# Altium PCB vestibular_vampire.PcbDoc (part 1 of 2)
Units mm, origin at the board's own origin, x right, y up, seen from the top; angles counter-clockwise.
Board outline 54.8 x 58.9 mm, 2 copper layers (Top Layer, Bottom Layer), stack 1.335 mm thick; 92 components, 56 nets, 333 pads, 112 vias.
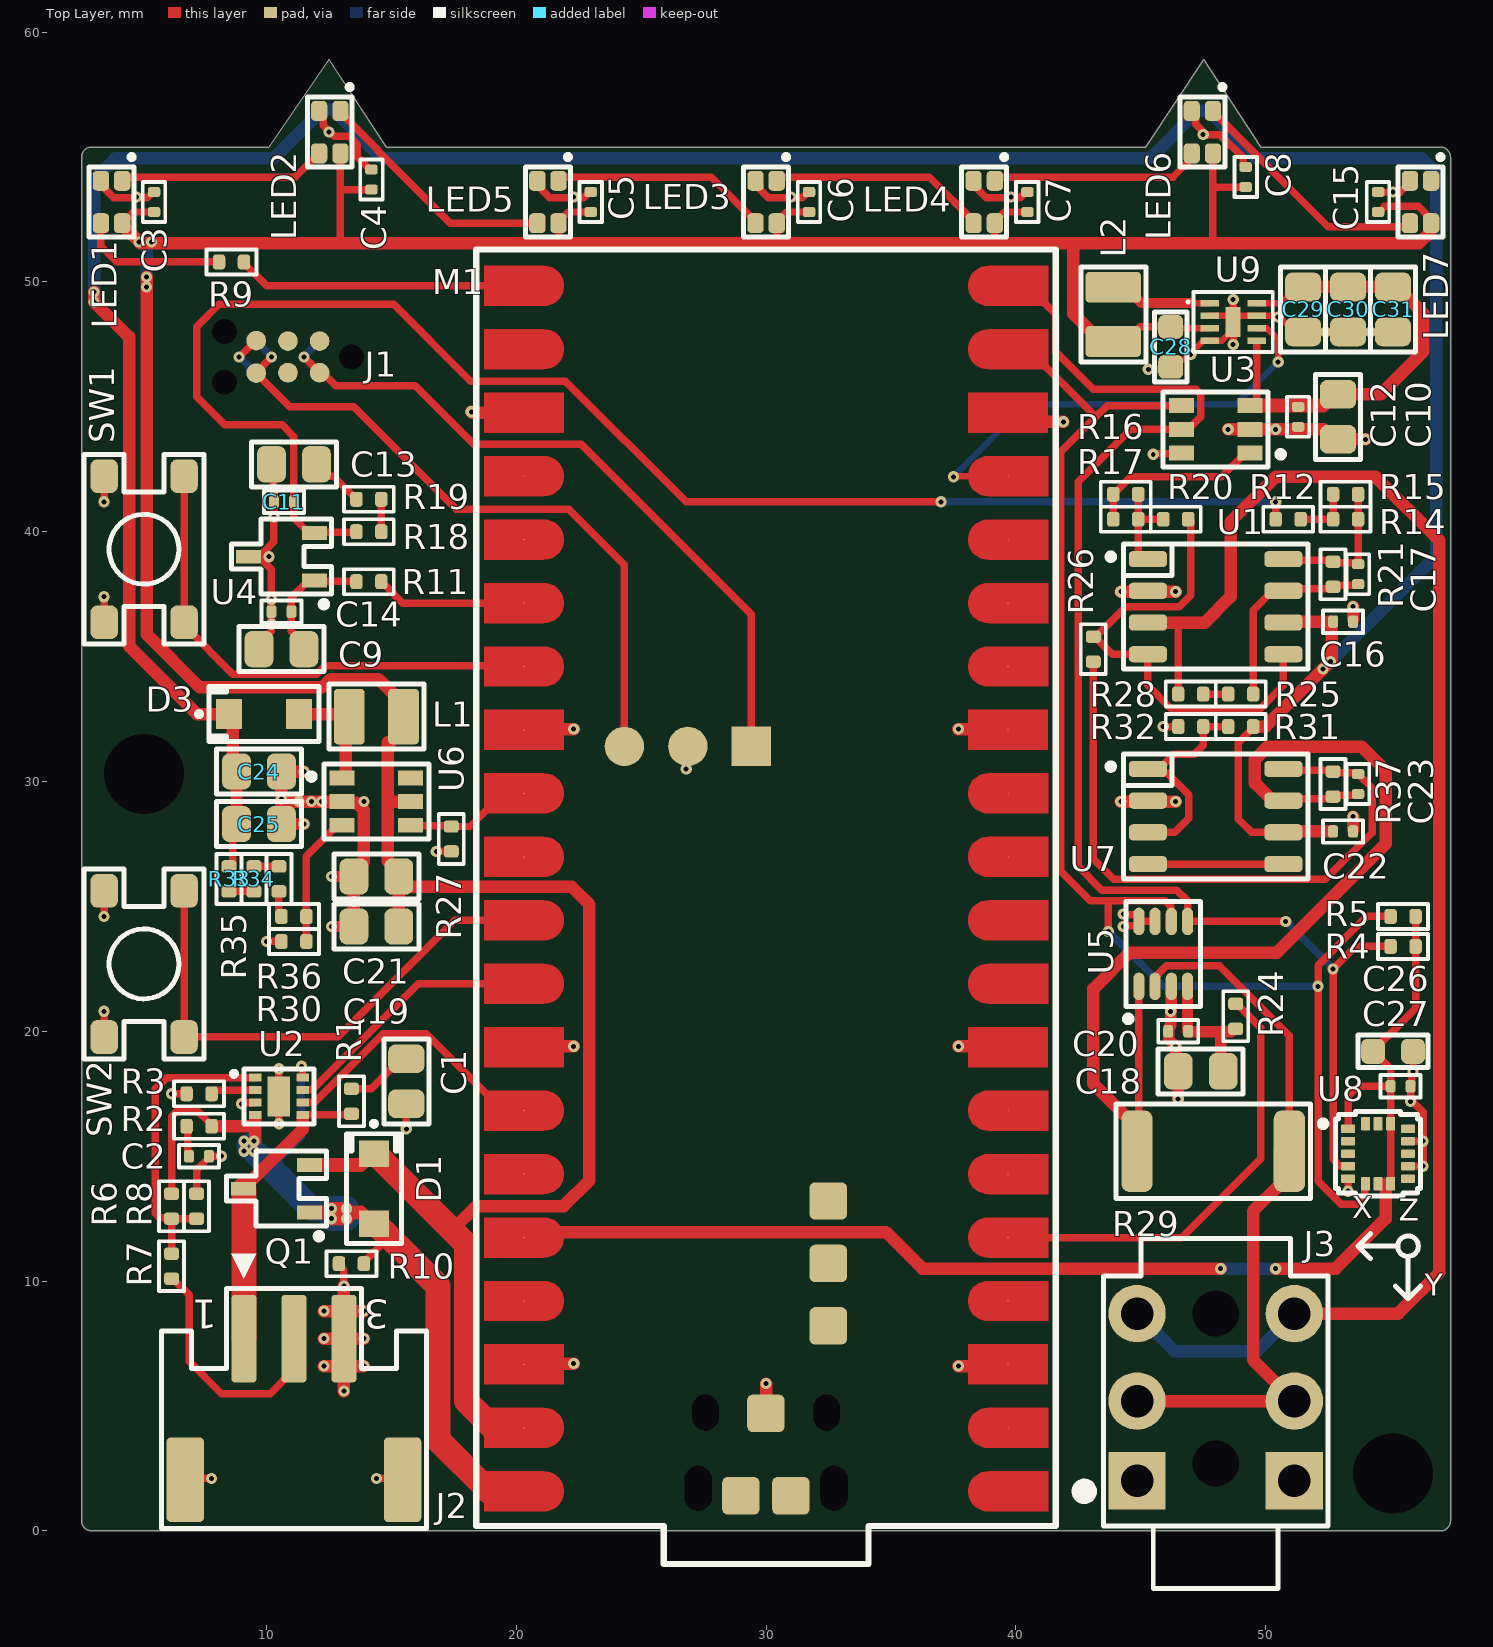
[diagram p0: Top Layer view]
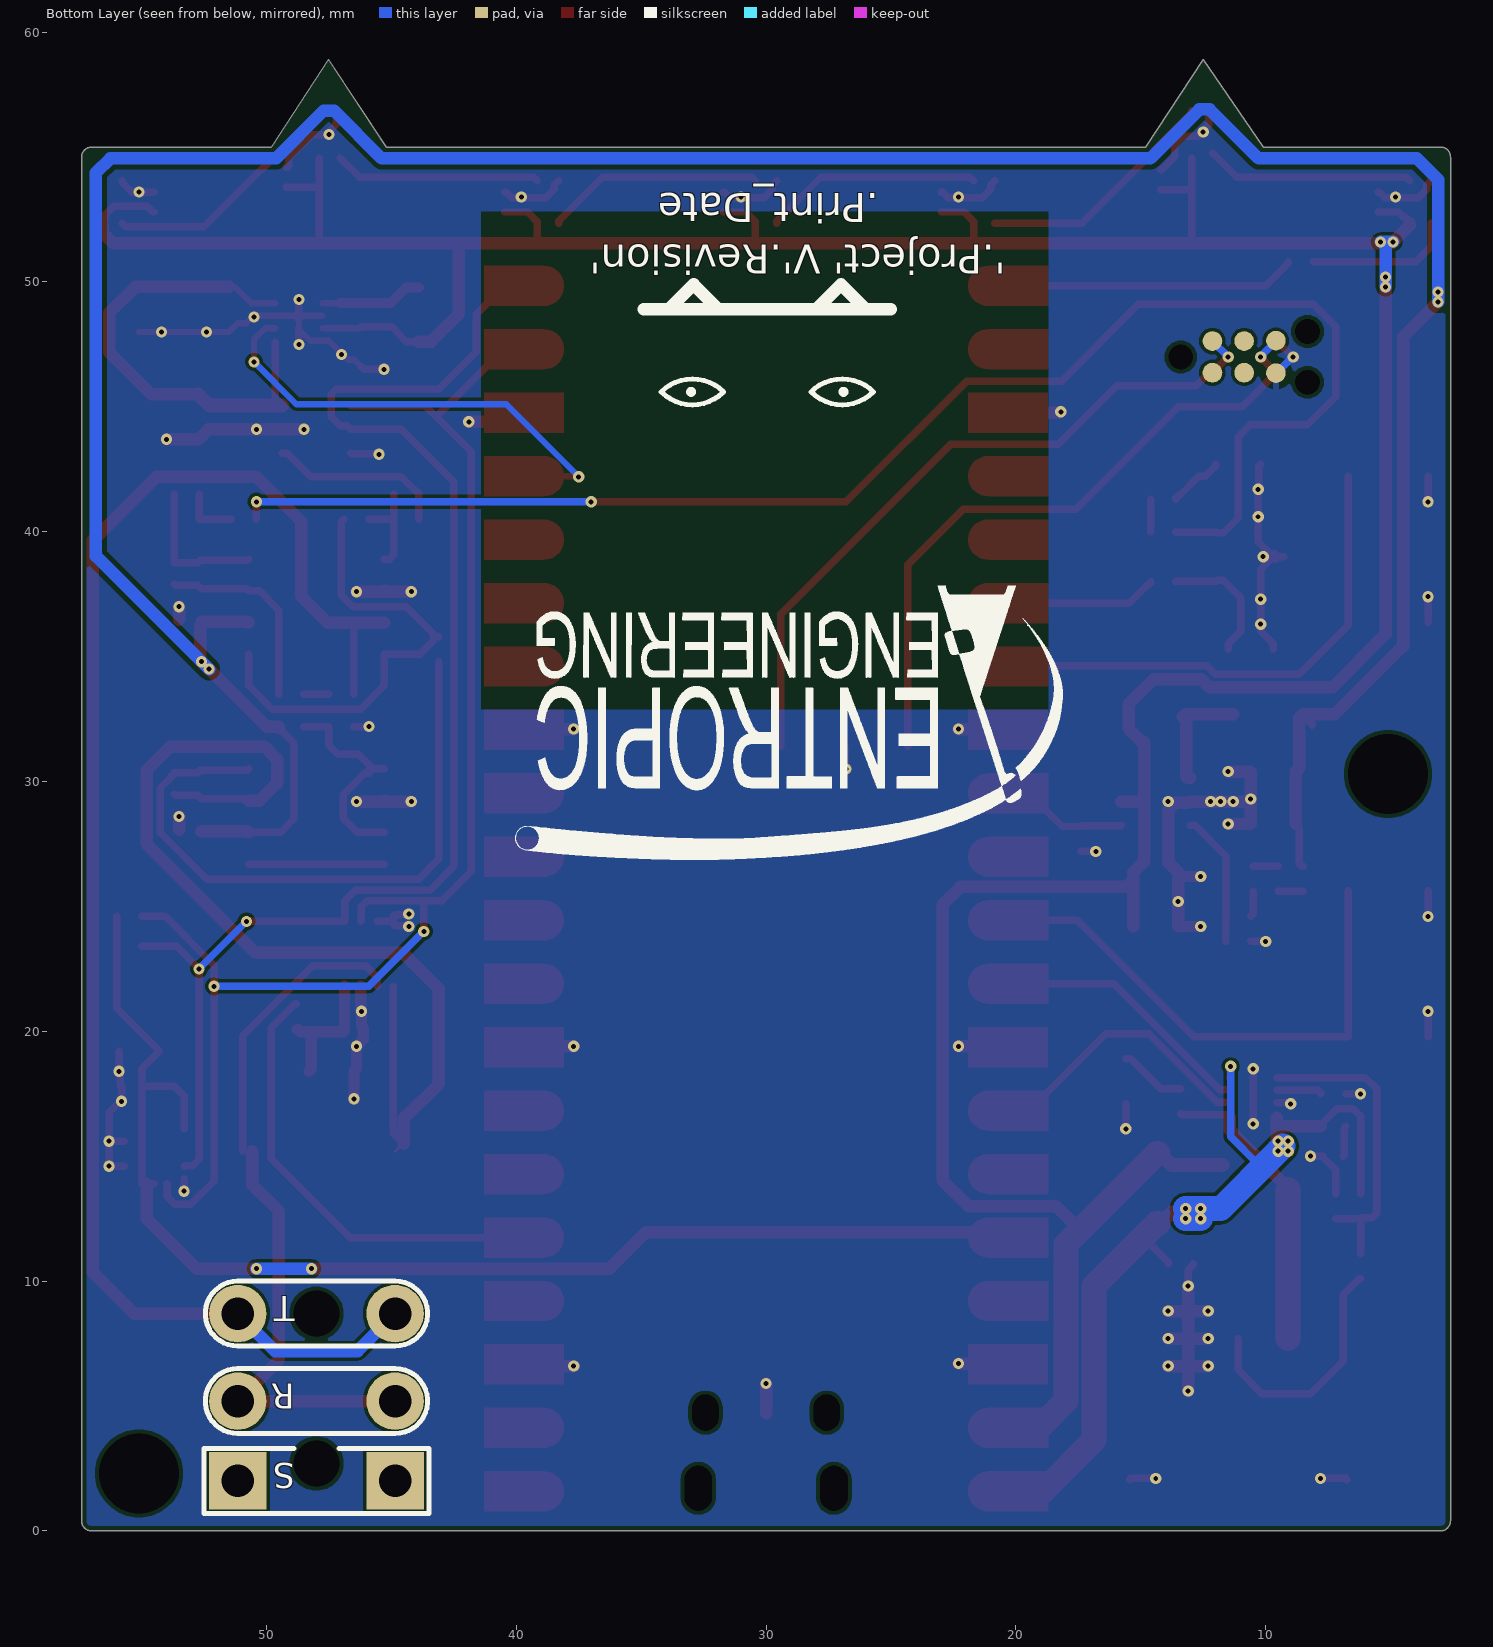
[diagram p1: Bottom Layer view, seen from below]

## Layer stack, top to bottom
Top Solder: solder mask 0.0254, Solder Resist, Dk 3.8
Top Layer: signal copper 0.035
Dielectric 1: dielectric 1.265, FR-4, Dk 4.6
Bottom Layer: signal copper 0.035
Bottom Solder: solder mask 0.0254, Solder Resist, Dk 3.8

## Board outline
2.6,0.4 2.6,55 cw(c3.001,54.999) 3,55.4 10.1,55.4 12.5,58.9 14.8,55.4 45.2,55.4 47.516,58.9 49.8,55.4 57,55.4 cw(c57,55) 57.4,55 57.4,0.4 cw(c57,0.4) 57,0 3,0 cw(c3,0.4)

## Design rules (kind name [scope] priority, off if disabled: settings)
BoardOutlineClearance ignore_silkscreen [OnLayer('Top Overlay') OR OnLayer('Bottom Overlay')] p1: gap=0 ignorepadtopadclearanceinfootprint=FALSE
BoardOutlineClearance [All] p2: gap=0.2 ignorepadtopadclearanceinfootprint=FALSE
Clearance HV_clearance [InNetClass('HV')] p1: gap=0.1 ignorepadtopadclearanceinfootprint=TRUE except(0.5: Arc-Arc Arc-Track Arc-SMDPad Arc-THPad Arc-Via Arc-Fill Arc-Poly Arc-Region Arc-Text Arc-Hole Track-Track Track-SMDPad Track-THPad Track-Via Track-Fill Track-Poly Track-Region Track-Text Track-Hole; 1.2: SMDPad-SMDPad SMDPad-THPad THPad-THPad)
Clearance 24v_clearance [InNet('+24.6V')] p2: gap=0.2 ignorepadtopadclearanceinfootprint=TRUE
Clearance rf_nonsense_3 [HasFootprint('ANTENNA_FILTER')       OR HasFootprint('ANTENNA')] p3: gap=0 ignorepadtopadclearanceinfootprint=FALSE
Clearance 5v_polygon_clearance [(InNet('+5V') AND InPolygon)] p4: gap=0.254 ignorepadtopadclearanceinfootprint=FALSE
Clearance fiducial [HasFootprint('fiducial-0.5')] p5: gap=0.5 ignorepadtopadclearanceinfootprint=FALSE
Clearance outer_layer_clearance [OnLayer('Bottom Layer')   OR OnLayer('Top Layer')] p6: gap=0.127 ignorepadtopadclearanceinfootprint=TRUE except(0.152: Arc-THPad Arc-Via Arc-Text Arc-Hole Track-THPad Track-Via Track-Text Track-Hole SMDPad-SMDPad SMDPad-THPad SMDPad-Via SMDPad-Text SMDPad-Hole THPad-Text Via-Text Fill-Text Fill-Hole Poly-Text Poly-Hole Region-Text Region-Hole Text-Text Text-Hole; 0.231: Via-Hole; 0.356: THPad-THPad THPad-Via THPad-Hole)
Clearance inner_layer_clearance [All] p7: gap=0.152 ignorepadtopadclearanceinfootprint=TRUE except(0.102: Arc-Arc Arc-Track Track-Track; 0.127: Arc-Fill Arc-Poly Arc-Region Track-Fill Track-Poly Track-Region SMDPad-Fill SMDPad-Poly SMDPad-Region THPad-Fill THPad-Poly THPad-Region Via-Via Via-Fill Via-Poly Via-Region Fill-Fill Fill-Poly Fill-Region Poly-Poly Poly-Region Region-Region; 0.231: Via-Hole; 0.356: THPad-THPad THPad-Via THPad-Hole)
ComponentClearance fiducial_clearance [HasFootprint('FIDUCIAL')] p1: gap=0 collisioncheckmode=3 verticalgap=0 showdistances=FALSE
ComponentClearance [All] p2: gap=0.17 collisioncheckmode=3 verticalgap=0.254 showdistances=FALSE
DiffPairsRouting [All] p1: maxlimit=0.127 minlimit=0.127 mostfreqgap=0.127 toplayer_minwidth=0.105 toplayer_maxwidth=0.5 toplayer_prefwidth=0.352 bottomlayer_minwidth=0.105 bottomlayer_maxwidth=0.5 bottomlayer_prefwidth=0.352 impedanceprofiledriven=TRUE impedanceprofileid={DAE47B77-B9C6-40A8-8105-E02AD20DBAE9} impedanceprofilevalue=90.000000 maxuncoupledlength=12.7
HoleSize [All] p1: absolutevalues=TRUE maxlimit=1288.839 minlimit=0.2 maxpercent=80.000 minpercent=20.000
HoleToHoleClearance via-to-via_clearance [IsVia] p1: gap=0.2 allowstackedmicrovias=TRUE
HoleToHoleClearance [All] p2: gap=0.35 allowstackedmicrovias=TRUE
MinimumAnnularRing wurth_usb-c [HasFootprint('632723300011')] p1: minimumring=0.125
MinimumAnnularRing via_annular_ring [IsVia] p2: minimumring=0.1
MinimumAnnularRing annular_ring [All] p3: minimumring=0.13
MinimumSolderMaskSliver [All] p1: minsoldermaskwidth=0
NetAntennae rf_nonsense2 [InNet('GPIO69')] p1: netantennaetolerance=5
NetAntennae [All] p2: netantennaetolerance=0
PlaneConnect [All] p1: pad.planeconnectstyle=Relief pad.reliefexpansion=0.508 pad.reliefentries=4 pad.reliefconductorwidth=0.254 pad.reliefairgap=0.254 via.planeconnectstyle=Direct via.reliefexpansion=0.508 via.reliefentries=4 via.reliefconductorwidth=0.254 via.reliefairgap=0.254
PolygonConnect art_polygons [OnLayer('Art Purple')        or OnLayer('Art Pink')] p1: connectstyle=Direct reliefconductorwidth=0.254 reliefentries=4 polygonreliefangle="90 Angle" airgapwidth=0.254
PolygonConnect antenna [HasFootprint('ANTENNA')] p2: connectstyle=Direct reliefconductorwidth=0.254 reliefentries=4 polygonreliefangle="90 Angle" airgapwidth=0.254
PolygonConnect trinamic [InPadClass('thermal_pad')] p3: connectstyle=Direct reliefconductorwidth=0.254 reliefentries=4 polygonreliefangle="90 Angle" airgapwidth=0.254
PolygonConnect mounting_holes [HasFootprint('m3_hole')] p4: connectstyle=Direct reliefconductorwidth=0.254 reliefentries=4 polygonreliefangle="90 Angle" airgapwidth=0.254
PolygonConnect 5v_polygons [InNet('+5V')] p5: thpad.connectstyle=Relief thpad.reliefconductorwidth=0.508 thpad.reliefentries=4 thpad.polygonreliefangle="45 Angle" thpad.airgapwidth=0.254 smdpad.connectstyle=Relief smdpad.reliefconductorwidth=0.508 smdpad.reliefentries=4 smdpad.polygonreliefangle="90 Angle" smdpad.airgapwidth=0.254 via.connectstyle=Direct via.reliefconductorwidth=0.254 via.reliefentries=4 via.polygonreliefangle="90 Angle" via.airgapwidth=0.254
PolygonConnect [All] p6: thpad.connectstyle=Relief thpad.reliefconductorwidth=0.254 thpad.reliefentries=4 thpad.polygonreliefangle="45 Angle" thpad.airgapwidth=0.254 smdpad.connectstyle=Relief smdpad.reliefconductorwidth=0.254 smdpad.reliefentries=4 smdpad.polygonreliefangle="90 Angle" smdpad.airgapwidth=0.254 via.connectstyle=Direct via.reliefconductorwidth=0.254 via.reliefentries=4 via.polygonreliefangle="90 Angle" via.airgapwidth=0.254
RoutingVias [All] p1: holewidth=0.2 width=0.45 viastyle="Through Hole" minholewidth=0.2 minwidth=0.45 maxholewidth=0.3 maxwidth=3
ShortCircuit rf_nonsense [InNet('Net*_MAGIC_IN')] p1: allowed=TRUE
ShortCircuit [All] p2: allowed=FALSE
SilkToSilkClearance [All] p1: silktosilkclearance=0
SilkToSolderMaskClearance [IsPad] p1: minsilkscreentomaskgap=0 clearancetoexposedcopper=TRUE
SolderMaskExpansion SolderMask_ViaTent [IsVia] p1: expansion=0.102 istentingtop=TRUE
SolderMaskExpansion [All] p2: expansion=0.05 istentingtop=FALSE
SupplyNets "Schematic Supply Nets_7" [InNet('+5V')] p1: voltage=0.000
SupplyNets "Schematic Supply Nets_6" [InNet('+3.3V')] p2: voltage=0.000
SupplyNets "Schematic Supply Nets_5" [InNet('+2.6V')] p3: voltage=0.000
SupplyNets "Schematic Supply Nets_4" [InNet('VBAT')] p4: voltage=0.000
SupplyNets "Schematic Supply Nets_3" [InNet('VBUS')] p5: voltage=0.000
SupplyNets "Schematic Supply Nets_2" [InNet('+24.6V')] p6: voltage=0.000
SupplyNets "Schematic Supply Nets_1" [InNet('GND')] p7: voltage=0.000
SupplyNets "Schematic Supply Nets" [InNet('VSYS')] p8: voltage=0.000
Width 50Z [InNetClass('RF')] p1: maxlimit=3 minlimit=0.119 preferedwidth=2.242 impedanceprofiledriven=TRUE impedanceprofileid={4F6D7264-9E3B-4977-9862-53ED1651440D} impedanceprofilevalue=50.000000 minimp=50.000000 maximp=50.000000 favimp=50.000000
Width Width_1 [All] p2: maxlimit=3 minlimit=0.102 preferedwidth=0.127
20 further rules are at their usual default settings.

## Components (designator, comment, footprint, x,y, rotation, side; value= is the part's Value field where it differs from the comment)
C1 "GRM21BR61H106KE43L" 0805_capacitor 15.6,18 r90 top value=10µF
C2 "CL05A475KP5NRNC" 0402_capacitor 7.3,15 r180 top value=4.7µF
C3 "GRM155R71E104KE14D" 0402_capacitor 5.5,53.2 r270 top
C4 "GRM155R71E104KE14D" 0402_capacitor 14.2,54.1 r270 top
C5 "GRM155R71E104KE14D" 0402_capacitor 22.98,53.2 r270 top
C6 "GRM155R71E104KE14D" 0402_capacitor 31.72,53.2 r270 top
C7 "GRM155R71E104KE14D" 0402_capacitor 40.46,53.2 r270 top
C8 "GRM155R71E104KE14D" 0402_capacitor 49.2,54.2 r270 top
C9 "GRM21BR61H106KE43L" 0805_capacitor 10.6,35.3 r0 top value=10µF
C10 "GRM21BR61H106KE43L" 0805_capacitor 52.9,44.6 r90 top value=10µF
C11 "CL05B103KA5NNNC" 0402_capacitor 10.7,41.2 r0 top
C12 "GRM155R71E104KE14D" 0402_capacitor 51.3,44.6 r90 top
C13 "GRM21BR61H106KE43L" 0805_capacitor 11.1,42.7 r0 top value=10µF
C14 "GRM155R71E104KE14D" 0402_capacitor 10.6,36.8 r0 top
C15 "GRM155R71E104KE14D" 0402_capacitor 54.5,53.2 r270 top
C16 "GRM155R71E104KE14D" 0402_capacitor 53.1,36.4 r180 top
C17 "GRT1555C1H201FA02D" 0402_capacitor 53.7,38.3 r270 top value=200pF
C18 "GRM21BR61H106KE43L" 0805_capacitor 47.4,18.4 r0 top value=10µF
C19 "GRM21BR61H106KE43L" 0805_capacitor 14.4,24.2 r0 top value=10µF
C20 "GRM155R71E104KE14D" 0402_capacitor 46.5,20 r0 top
C21 "GRM21BR61H106KE43L" 0805_capacitor 14.4,26.2 r0 top value=10µF
C22 "GRM155R71E104KE14D" 0402_capacitor 53.1,28 r180 top
C23 "GRT1555C1H201FA02D" 0402_capacitor 53.7,29.9 r270 top value=200pF
C24 "GRM21BR61H106KE43L" 0805_capacitor 9.7,30.4 r180 top value=10µF
C25 "GRM21BR61H106KE43L" 0805_capacitor 9.7,28.3 r180 top value=10µF
C26 "CL10A106MA8NRNC" 0603_capacitor 55.1,19.2 r180 top value=10µF
C27 "GRM155R71E104KE14D" 0402_capacitor 55.4,17.8 r180 top
C28 "C1608X5R1E475K080AC" 0603_capacitor 46.2,47.4 r90 top value=4.7μF
C29 "GRT21BR61E226ME13L" 0805_capacitor 51.5,48.9 r90 top value=22μF
C30 "GRT21BR61E226ME13L" 0805_capacitor 53.3,48.9 r90 top value=22μF
C31 "GRT21BR61E226ME13L" 0805_capacitor 55.1,48.9 r90 top value=22μF
D1 "SS34FA" SOD-123 14.3,13.7 r270 top
D3 "SS34FA" SOD-123 9.9,32.7 r0 top
J1 "SWD Debug" debug_header_dual 13.4,47 r180 top
J2 "Battery Connector" S3B-PH-SM4-TB 11.1,4.9 r180 top
J3 "TRS Jack" pj-313_5jcj_3.5mm_trs_jack 48,5.2 r90 top
L1 "SPH252012H220MT" INDC2520X12N 14.4,32.6 r180 top value=22µH
L2 "252012CDMCDDS-1R0MC" INDC2520X12N 43.9,48.7 r90 top value=1.0μH
LED1 "WS2812B" XL-1615RGBC-WS2812B 3.8,53.2 r270 top
LED2 "WS2812B" XL-1615RGBC-WS2812B 12.533,56 r270 top
LED3 "WS2812B" XL-1615RGBC-WS2812B 30,53.2 r270 top
LED4 "WS2812B" XL-1615RGBC-WS2812B 38.733,53.2 r270 top
LED5 "WS2812B" XL-1615RGBC-WS2812B 21.267,53.2 r270 top
LED6 "WS2812B" XL-1615RGBC-WS2812B 47.467,56 r270 top
LED7 "WS2812B" XL-1615RGBC-WS2812B 56.2,53.2 r270 top
M1 "Pi Pico W" pi_pico_w 30,26 r180 top locked
Q1 "P-FET" SOT95P280X115-3N 10.4,13.7 r180 top
R1 "0402WGF100KTCE" 0402_resistor 13.4,17.2 r270 top value=1Ω
R2 "0402WGF100KTCE" 0402_resistor 7.3,16.2 r0 top value=1Ω
R3 "Rset" 0402_resistor 7.3,17.5 r0 top value=1kΩ
R4 "RC0402FR-0710KL" 0402_resistor 55.5,23.4 r0 top value=10kΩ
R5 "RC0402FR-0710KL" 0402_resistor 55.5,24.6 r0 top value=10kΩ
R6 "RC0402FR-076K8L" 0402_resistor 6.2,13 r270 top value=6.8kΩ
R7 "RC0402JR-071KL" 0402_resistor 6.2,10.6 r90 top value=1kΩ
R8 "Rset" 0402_resistor 7.2,13 r270 top value=1kΩ
R9 "0402WGF100KTCE" 0402_resistor 8.6,50.8 r180 top value=1Ω
R10 "RC0402FR-07100KL" 0402_resistor 13.4,10.7 r0 top value=100kΩ
R11 "0402WGF100KTCE" 0402_resistor 14.1,38 r0 top value=1Ω
R12 "0402WGF100KTCE" 0402_resistor 50.9,40.5 r180 top value=1Ω
R14 "RC0402FR-07100KL" 0402_resistor 53.2,40.5 r180 top value=100kΩ
R15 "RC0402FR-07100KL" 0402_resistor 53.2,41.5 r180 top value=100kΩ
R16 "RC0402FR-07100KL" 0402_resistor 44.4,41.5 r180 top value=100kΩ
R17 "RC0402FR-07100KL" 0402_resistor 44.4,40.5 r180 top value=100kΩ
R18 "Rset" 0402_resistor 14.1,40 r180 top value=1kΩ
R19 "Rset" 0402_resistor 14.1,41.3 r180 top value=1kΩ
R20 "RC0402FR-0710KL" 0402_resistor 46.4,40.5 r0 top value=10kΩ
R21 "RC0402FR-0710KL" 0402_resistor 52.7,38.3 r270 top value=10kΩ
R24 "0402WGF100KTCE" 0402_resistor 48.8,20.6 r90 top value=1Ω
R25 "RMCF0402FT100R" 0402_resistor 49,33.5 r180 top
R26 "RC0402FR-0710KL" 0402_resistor 43.1,35.3 r270 top value=10kΩ
R27 "RC0402FR-0710KL" 0402_resistor 17.4,27.7 r270 top value=10kΩ
R28 "RC0402FR-0730RL" 0402_resistor 47,33.5 r180 top value=30Ω
R29 "PT2512FK-7W0R1L" 2512_resistor 47.9,15.2 r0 top value=100mΩ
R30 "Rset" 0402_resistor 11.1,23.6 r0 top value=1kΩ
R31 "RC0402FR-0710KL" 0402_resistor 49,32.2 r180 top value=10kΩ
R32 "RC0402FR-0710KL" 0402_resistor 47,32.2 r180 top value=10kΩ
R33 "RC0402FR-0710KL" 0402_resistor 8.5,26.1 r270 top value=10kΩ
R34 "RC0402FR-0710KL" 0402_resistor 9.5,26.1 r270 top value=10kΩ
R35 "RC0402FR-0710KL" 0402_resistor 10.5,26.1 r270 top value=10kΩ
R36 "RC0402FR-0710KL" 0402_resistor 11.1,24.6 r180 top value=10kΩ
R37 "RC0402FR-0710KL" 0402_resistor 52.7,29.9 r270 top value=10kΩ
SW1 "TSC015A08026B" TSC015A08026B 5.1,39.3 r90 top
SW2 "TSC015A08026B" TSC015A08026B 5.1,22.7 r90 top
U1 "LT1013DIDR" SOIC127P600X175-8N 48,37 r0 top
U2 "Li+ Charger" SON50P200X80_HS-9N 10.5,17.4 r0 top
U3 "12-Bit DAC" SOT95P280X110-6N 48,44.1 r180 top
U4 "Precision Reference" SOT95P280X115-3N 10.6,39 r180 top
U5 "Current Monitor" SOT-23-8 45.9,23.1 r90 top
U6 "MT3608" SOT95P280X110-6N 14.4,29.2 r0 top
U7 "LT1013DIDR" SOIC127P600X175-8N 48,28.6 r0 top
U8 "3-Axis Accelerometer" LGA50P300X300X100-16N 54.5,15.1 r0 top
U9 "5V Boost" SON50P200X50_HS-9N 48.7,48.4 r0 top

## Footprints (in the part's own frame and the unit in brackets; to place one, negate y for a bottom-side part, rotate by r counter-clockwise, add the part's x,y. Pads: shape width x height; smd on the part's side, far side on the other; paste and mask are expansions set on the pad)
0402_capacitor [mm] "0402 chip capacitor"
  rrect50% 0.4x0.5 smd: 1(-0.4,0) 2(0.4,0)
  silkscreen extent -0.8,-0.45 0.8,0.45, body extent -0.53,-0.28 0.53,0.28, height 0.55
0402_resistor [mm] "Chip Resistor, 2-Leads, Body 1.00x0.50mm, IPC Medium Density"
  rrect50% 0.5x0.6 smd: 1(-0.5,0) 2(0.5,0)
  silkscreen extent -1,-0.5 1,0.5, body extent -0.53,-0.28 0.53,0.28, height 0.4
0603_capacitor [mm] "Chip Capacitor, 2-Leads, Body 1.60x0.80mm, IPC Medium Density"
  rrect50% 0.95x1 smd: 1(-0.8,0) 2(0.8,0)
  silkscreen extent -1.4,-0.65 1.4,0.65, body extent -0.87,-0.48 0.87,0.48, height 0.87
0805_capacitor [mm] "Chip Capacitor, 2-Leads, Body 2.00x1.25mm, IPC Medium Density"
  rrect50% 1.15x1.45 smd: 1(-0.9,0) 2(0.9,0)
  silkscreen extent -1.7,-0.9 1.7,0.9, body extent -1.15,-0.72 1.15,0.72, height 0.95
2512_resistor [mm]
  rrect50% 1.254x3.25 smd: 1(-3.05,0) 2(3.05,0)
  silkscreen extent -3.9,-1.9 3.9,1.9, body extent -3.17,-1.6 3.17,1.6, height 0.55
debug_header_dual [mm]
  round 0.787 smd paste-2: 1(1.27,-0.635) 2(1.27,0.635) 3(2.54,-0.635) 4(2.54,0.635) 5(3.81,-0.65) 6(3.81,0.65)
  round 0.787 smd far side paste-2: 1(1.27,0.635) 2(1.27,-0.635) 3(2.54,0.635) 4(2.54,-0.635) 5(3.81,0.65) 6(3.81,-0.65)
  round 0 hole 0.991 unplated: ""(0,0) ""(5.08,-1.016) ""(5.08,1.016)
INDC2520X12N [mm] "Chip Inductor, 2-Leads, Body 2.50x2.00mm, IPC Medium Density"
  rrect25% 1.23x2.22 smd: 1(-1.085,0) 2(1.085,0)
  silkscreen extent -1.9,-1.3 1.9,1.3, body extent -1.35,-1.1 1.35,1.1, height 1.2
LGA50P300X300X100-16N [mm] "LGA, 16-Leads, Body 3.00x3.00mm, Pitch 0.50mm, IPC Medium Density"
  rrect20% 0.55x0.35 smd: 1(-1.2,1) 2(-1.2,0.5) 3(-1.2,0) 4(-1.2,-0.5) 5(-1.2,-1) 9(1.2,-1) 10(1.2,-0.5) 11(1.2,0) 12(1.2,0.5) 13(1.2,1)
  rrect20% 0.35x0.55 smd: 6(-0.5,-1.2) 7(0,-1.2) 8(0.5,-1.2) 14(0.5,1.2) 15(0,1.2) 16(-0.5,1.2)
  silkscreen extent -2.32,-4.11 1.7,1.7, body extent -1.58,-1.58 1.58,1.58, height 1
pi_pico_w [mm] "RASPBERRY PI PICO W RP2040 BOARD"
  round 0.025 smd: 1(-9.69,24.415) 2(-9.69,21.875) 3(-9.69,19.335) 4(-9.69,16.795) 5(-9.69,14.255) 6(-9.69,11.715) 7(-9.69,9.175) 8(-9.69,6.635) 9(-9.69,4.095) 10(-9.69,1.555) 11(-9.69,-0.985) 12(-9.69,-3.525) 13(-9.69,-6.065) 14(-9.69,-8.605) 15(-9.69,-11.145) 16(-9.69,-13.685) 17(-9.69,-16.225) 18(-9.69,-18.765) 19(-9.69,-21.305) 20(-9.69,-23.845) 21(9.69,-23.845) 22(9.69,-21.305) 23(9.69,-18.765) 24(9.69,-16.225) 25(9.69,-13.685) 26(9.69,-11.145) 27(9.69,-8.605) 28(9.69,-6.065) 29(9.69,-3.525) 30(9.69,-0.985) 31(9.69,1.555) 32(9.69,4.095) 33(9.69,6.635) 34(9.69,9.175) 35(9.69,11.715) 36(9.69,14.255) 37(9.69,16.795) 38(9.69,19.335) 39(9.69,21.875) 40(9.69,24.415)
  rect 1.575x1.575 smd: 41(0.594,-5.408)
  round 1.575 smd: 42(3.134,-5.408) 43(5.674,-5.408)
  rrect30% 1.5x1.5 smd: 44(0.01,21.292) 45(1.01,24.592) 46(-0.99,24.592) 47(-2.49,17.792) 48(-2.49,15.292) 49(-2.49,12.792)
  round 0 hole 1.1 slot 1.8 at 90 deg unplated: ""(-2.715,24.292) ""(2.715,24.292)
  round 0 hole 1.05 slot 1.45 at 90 deg unplated: ""(-2.425,21.262) ""(2.425,21.262)
  Top Layer region: -11.29,-24.645 -11.29,-23.045 -8.89,-23.045 -8.89,-23.045 -8.543,-23.124 -8.265,-23.346 -8.11,-23.667 -8.11,-24.023 -8.265,-24.344 -8.543,-24.566 -8.89,-24.645 -8.89,-24.645
  Top Layer region: -11.29,-22.105 -11.29,-20.505 -8.89,-20.505 -8.89,-20.505 -8.543,-20.584 -8.265,-20.806 -8.11,-21.127 -8.11,-21.483 -8.265,-21.804 -8.543,-22.026 -8.89,-22.105 -8.89,-22.105
  Top Layer region: -11.29,-17.025 -11.29,-15.425 -8.89,-15.425 -8.89,-15.425 -8.543,-15.504 -8.265,-15.726 -8.11,-16.047 -8.11,-16.403 -8.265,-16.724 -8.543,-16.946 -8.89,-17.025 -8.89,-17.025
  Top Layer region: -11.29,-14.485 -11.29,-12.885 -8.89,-12.885 -8.89,-12.885 -8.543,-12.964 -8.265,-13.186 -8.11,-13.507 -8.11,-13.863 -8.265,-14.184 -8.543,-14.406 -8.89,-14.485 -8.89,-14.485
  Top Layer region: -11.29,-11.945 -11.29,-10.345 -8.89,-10.345 -8.89,-10.345 -8.543,-10.424 -8.265,-10.646 -8.11,-10.967 -8.11,-11.323 -8.265,-11.644 -8.543,-11.866 -8.89,-11.945 -8.89,-11.945
  Top Layer region: -11.29,-9.405 -11.29,-7.805 -8.89,-7.805 -8.89,-7.805 -8.543,-7.884 -8.265,-8.106 -8.11,-8.427 -8.11,-8.783 -8.265,-9.104 -8.543,-9.326 -8.89,-9.405 -8.89,-9.405
  Top Layer region: -11.29,-4.325 -11.29,-2.725 -8.89,-2.725 -8.89,-2.725 -8.543,-2.804 -8.265,-3.026 -8.11,-3.347 -8.11,-3.703 -8.265,-4.024 -8.543,-4.246 -8.89,-4.325 -8.89,-4.325
  Top Layer region: -11.29,-1.785 -11.29,-0.185 -8.89,-0.185 -8.89,-0.185 -8.543,-0.264 -8.265,-0.486 -8.11,-0.807 -8.11,-1.163 -8.265,-1.484 -8.543,-1.706 -8.89,-1.785 -8.89,-1.785
  Top Layer region: -11.29,0.755 -11.29,2.355 -8.89,2.355 -8.89,2.355 -8.543,2.276 -8.265,2.054 -8.11,1.733 -8.11,1.377 -8.265,1.056 -8.543,0.834 -8.89,0.755 -8.89,0.755
  Top Layer region: -11.29,3.295 -11.29,4.895 -8.89,4.895 -8.89,4.895 -8.543,4.816 -8.265,4.594 -8.11,4.273 -8.11,3.917 -8.265,3.596 -8.543,3.374 -8.89,3.295 -8.89,3.295
  Top Layer region: -11.286,5.835 -11.286,7.435 -8.094,7.435 -8.094,5.835
  Top Layer region: -11.29,8.375 -11.29,9.975 -8.89,9.975 -8.89,9.975 -8.543,9.896 -8.265,9.674 -8.11,9.353 -8.11,8.997 -8.265,8.676 -8.543,8.454 -8.89,8.375 -8.89,8.375
  Top Layer region: -11.29,10.915 -11.29,12.515 -8.89,12.515 -8.89,12.515 -8.543,12.436 -8.265,12.214 -8.11,11.893 -8.11,11.537 -8.265,11.216 -8.543,10.994 -8.89,10.915 -8.89,10.915
  Top Layer region: -11.29,13.455 -11.29,15.055 -8.89,15.055 -8.89,15.055 -8.543,14.976 -8.265,14.754 -8.11,14.433 -8.11,14.077 -8.265,13.756 -8.543,13.534 -8.89,13.455 -8.89,13.455
  Top Layer region: -11.29,15.995 -11.29,17.595 -8.89,17.595 -8.89,17.595 -8.543,17.516 -8.265,17.294 -8.11,16.973 -8.11,16.617 -8.265,16.296 -8.543,16.074 -8.89,15.995 -8.89,15.995
  Top Layer region: -11.29,21.075 -11.29,22.675 -8.89,22.675 -8.89,22.675 -8.543,22.596 -8.265,22.374 -8.11,22.053 -8.11,21.697 -8.265,21.376 -8.543,21.154 -8.89,21.075 -8.89,21.075
  Top Layer region: -11.29,23.615 -11.29,25.215 -8.89,25.215 -8.89,25.215 -8.543,25.136 -8.265,24.914 -8.11,24.593 -8.11,24.237 -8.265,23.916 -8.543,23.694 -8.89,23.615 -8.89,23.615
  Top Layer region: 11.29,4.895 11.29,3.295 8.89,3.295 8.89,3.295 8.543,3.374 8.265,3.596 8.11,3.917 8.11,4.273 8.265,4.594 8.543,4.816 8.89,4.895 8.89,4.895
  Top Layer region: 11.29,2.355 11.29,0.755 8.89,0.755 8.89,0.755 8.543,0.834 8.265,1.056 8.11,1.377 8.11,1.733 8.265,2.054 8.543,2.276 8.89,2.355 8.89,2.355
  Top Layer region: 11.29,-0.185 11.29,-1.785 8.89,-1.785 8.89,-1.785 8.543,-1.706 8.265,-1.484 8.11,-1.163 8.11,-0.807 8.265,-0.486 8.543,-0.264 8.89,-0.185 8.89,-0.185
  Top Layer region: 11.29,-2.725 11.29,-4.325 8.89,-4.325 8.89,-4.325 8.543,-4.246 8.265,-4.024 8.11,-3.703 8.11,-3.347 8.265,-3.026 8.543,-2.804 8.89,-2.725 8.89,-2.725